# Altium PCB apt_battery_bms.PcbDoc (part 1 of 3) (continued)
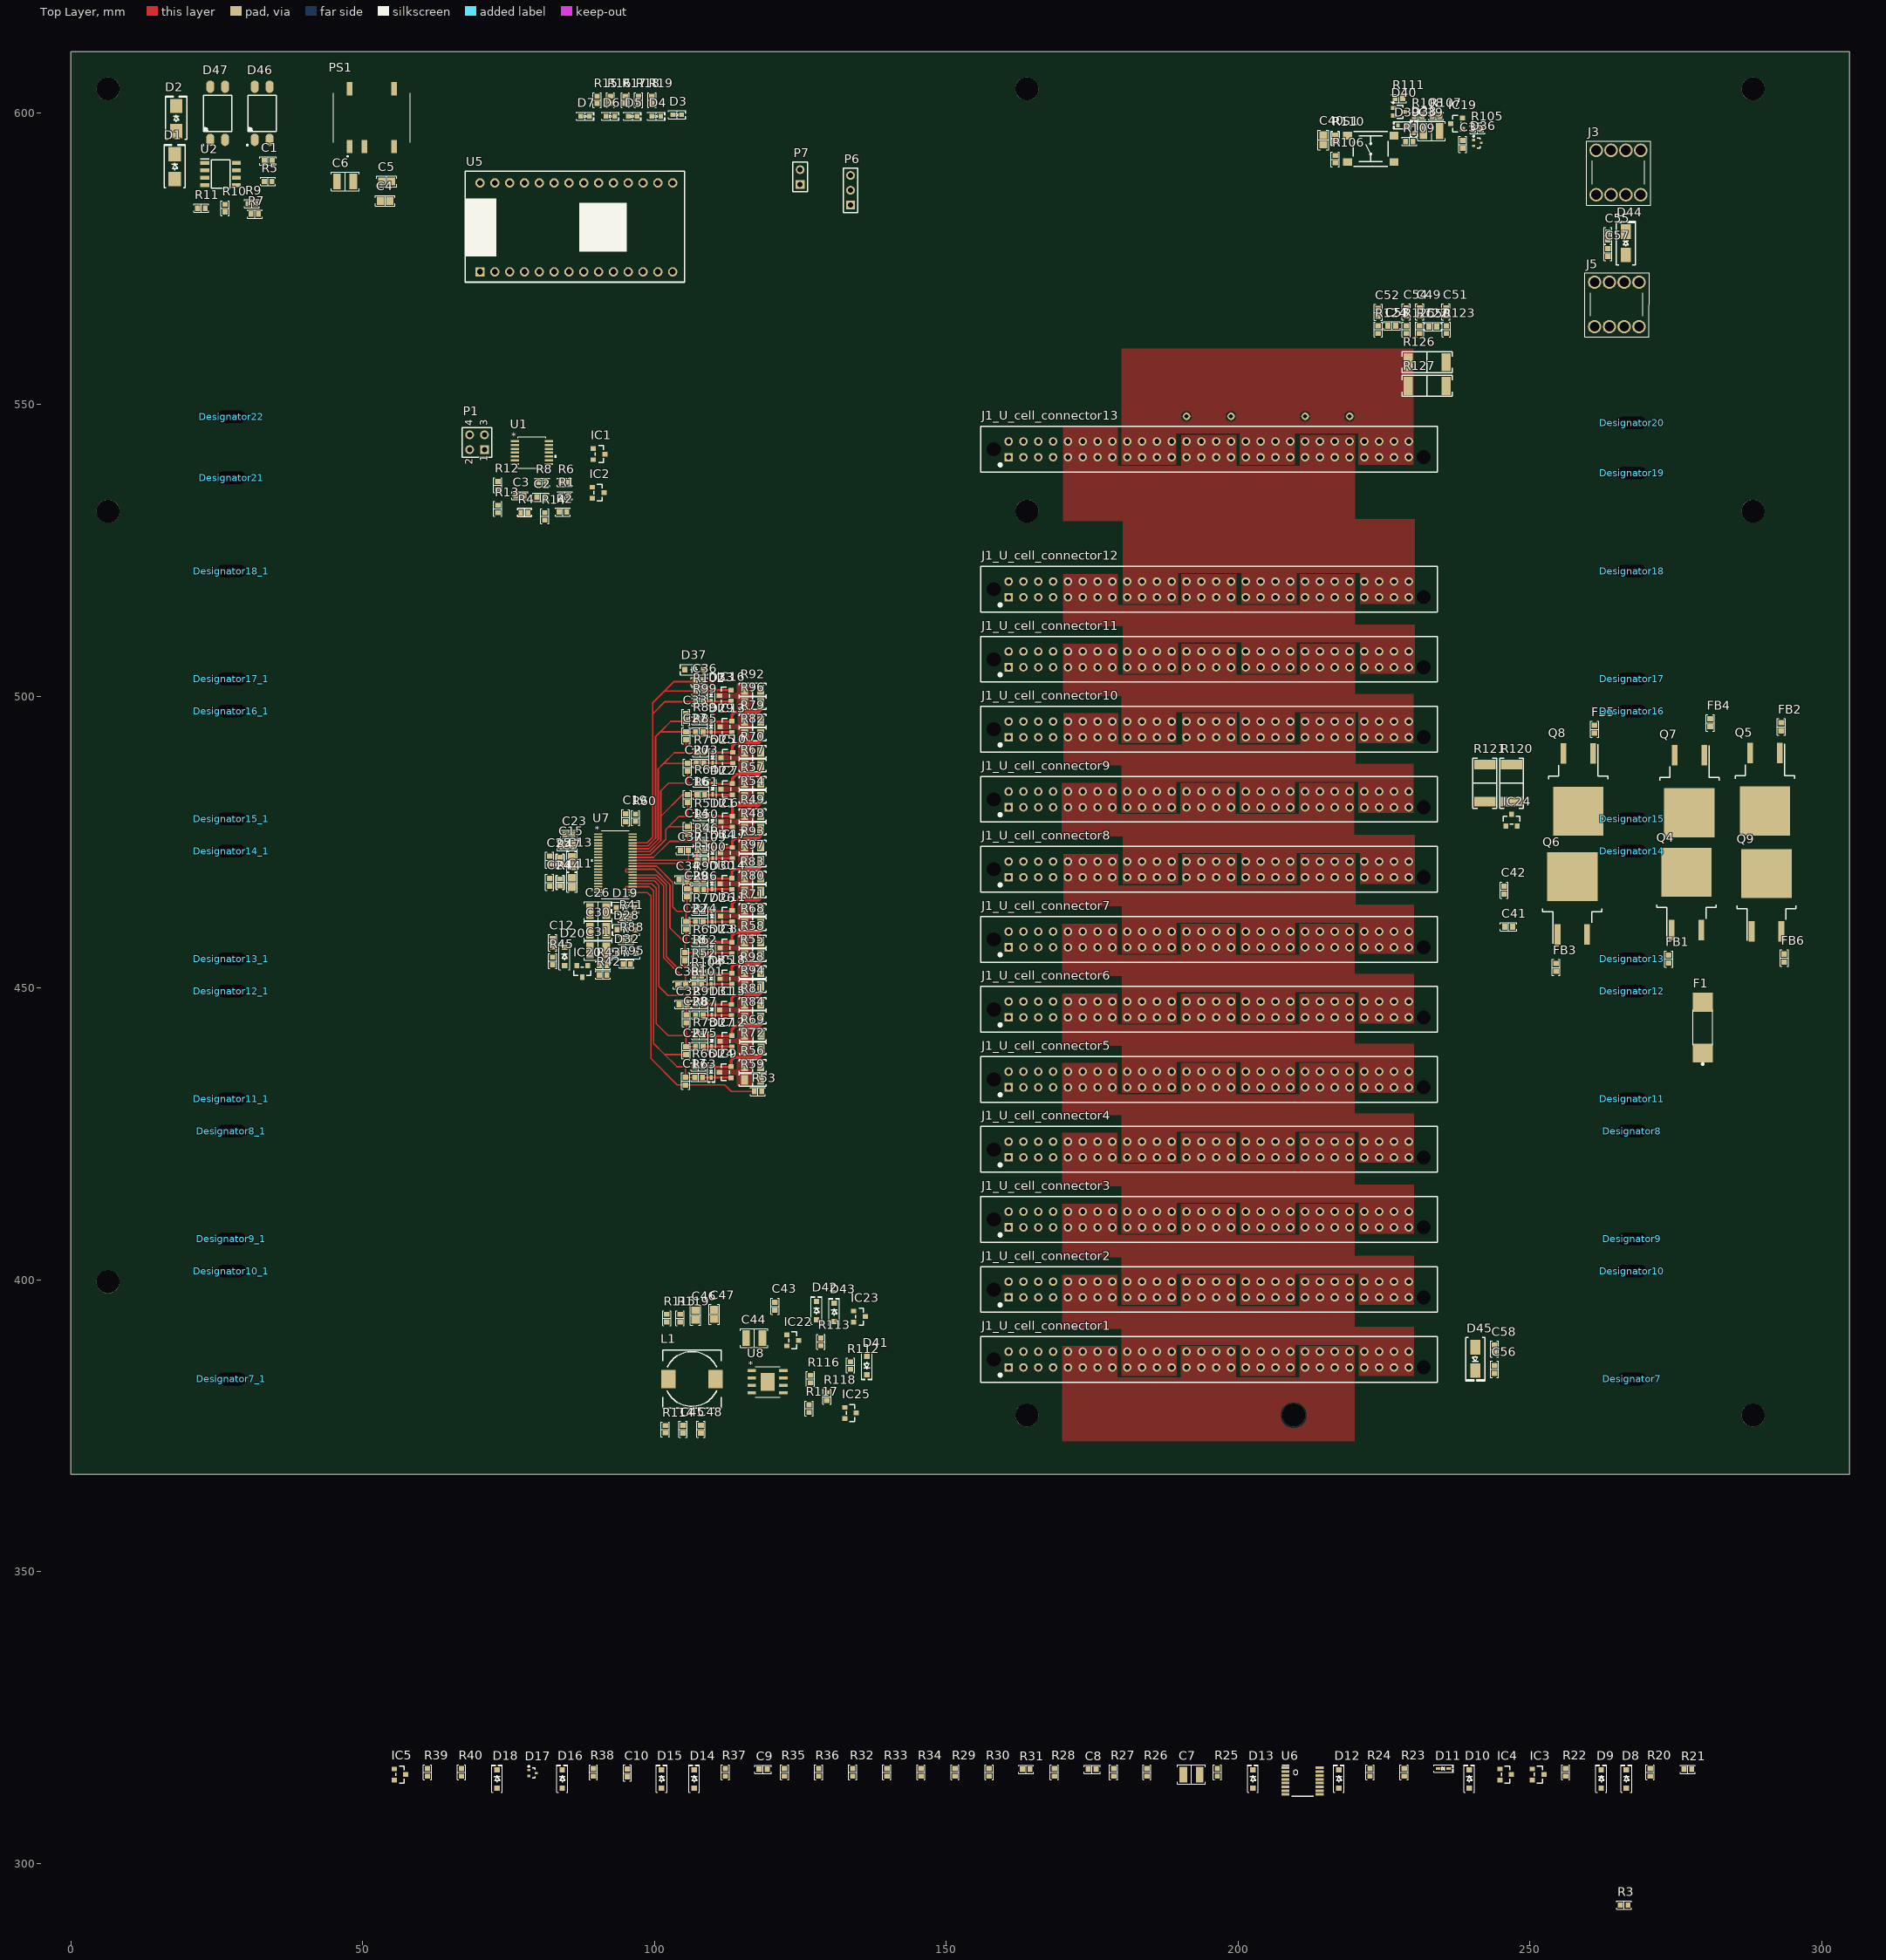
[diagram p0: Top Layer view]
## Components (designator, comment, footprint, x,y, rotation, side; value= is the part's Value field where it differs from the comment) (continued)
Designator16 "Comment" ZIP_TIE_HOLE#19 267.843,497.078 r0 top
Designator16_1 "Comment" ZIP_TIE_HOLE#20 27.5,496.538 r0 top
Designator17 "Comment" ZIP_TIE_HOLE#21 268.097,502.539 r0 top
Designator17_1 "Comment" ZIP_TIE_HOLE#22 27.5,501.999 r0 top
Designator18 "Comment" ZIP_TIE_HOLE#23 268.351,520.954 r0 top
Designator18_1 "Comment" ZIP_TIE_HOLE#24 27.5,520.414 r0 top
Designator19 "Comment" ZIP_TIE_HOLE#25 268.097,537.718 r0 top
Designator20 "Comment" ZIP_TIE_HOLE#26 268.859,546.354 r0 top
Designator21 "Comment" ZIP_TIE_HOLE#27 28.067,536.956 r0 top
Designator22 "Comment" ZIP_TIE_HOLE#28 29.337,547.37 r0 top
F1 "0456030.ER" FUS_LITTELFUSE_0456_30A_LTF 279.654,443.23 r90 top
FB1 "600 Ohms @ 100MHz" "FER 0603_1608" 273.812,455 r270 top
FB2 "600 Ohms @ 100MHz" "FER 0603_1608" 293.116,494.792 r270 top
FB3 "600 Ohms @ 100MHz" "FER 0603_1608" 254.508,453.557 r270 top
FB4 "600 Ohms @ 100MHz" "FER 0603_1608" 280.924,495.467 r270 top
FB5 "600 Ohms @ 100MHz" "FER 0603_1608" 261.112,494.371 r270 top
FB6 "600 Ohms @ 100MHz" "FER 0603_1608" 293.624,455.168 r270 top
IC1 "#NAME?" "ON SEMI SOT-23-3" 90.536,541.528 r0 top
IC2 "#NAME?" "DIODES SOT-23-3" 90.344,534.924 r0 top
IC3 "#NAME?" "DIODES SOT-23-3" 251.46,315.229 r0 top
IC4 "#NAME?" "DIODES SOT-23-3" 245.872,315.229 r0 top
IC5 "#NAME?" "ON SEMI SOT-23-3" 56.388,315.229 r0 top
IC6 "#NAME?" "DIODES SOT-23-3" 112.369,478.536 r180 top
IC7 "#NAME?" "DIODES SOT-23-3" 112.374,484.099 r180 top
IC8 "#NAME?" "DIODES SOT-23-3" 112.271,456.91 r180 top
IC9 "#NAME?" "DIODES SOT-23-3" 112.141,435.585 r180 top
IC10 "#NAME?" "DIODES SOT-23-3" 112.395,489.458 r180 top
IC11 "#NAME?" "DIODES SOT-23-3" 112.309,462.371 r180 top
IC12 "#NAME?" "DIODES SOT-23-3" 112.268,440.919 r180 top
IC13 "#NAME?" "DIODES SOT-23-3" 112.268,494.792 r180 top
IC14 "#NAME?" "DIODES SOT-23-3" 112.265,467.88 r180 top
IC15 "#NAME?" "DIODES SOT-23-3" 112.208,446.268 r180 top
IC16 "#NAME?" "DIODES SOT-23-3" 112.141,500.126 r180 top
IC17 "#NAME?" "DIODES SOT-23-3" 112.344,473.177 r180 top
IC18 "#NAME?" "DIODES SOT-23-3" 112.268,451.612 r180 top
IC19 "#NAME?" "DIODES SOT-23-3" 237.49,598.17 r180 top
IC20 "#NAME?" "ON SEMI SOT-23-3" 87.63,452.882 r270 top
IC22 "ZXMP10A13FTA" "DIODES SOT-23-3" 123.698,389.636 r0 top
IC23 "BSS123" "ON SEMI SOT-23-3" 135.128,393.7 r0 top
IC24 "ZXMP10A13FTA" "DIODES SOT-23-3" 246.888,478.79 r90 top
IC25 "2N7002-7-F" "DIODES SOT-23-3" 133.604,377.19 r0 top
J1_U_cell_connector1 "10119810-002LF" "10119810-002LF - Connector" 160.7,385 r90 top (schematic designator J1)
J1_U_cell_connector2 "10119810-002LF" "10119810-002LF - Connector" 160.7,397 r90 top (schematic designator J1)
J1_U_cell_connector3 "10119810-002LF" "10119810-002LF - Connector" 160.7,409 r90 top (schematic designator J1)
J1_U_cell_connector4 "10119810-002LF" "10119810-002LF - Connector" 160.7,421 r90 top (schematic designator J1)
J1_U_cell_connector5 "10119810-002LF" "10119810-002LF - Connector" 160.7,433 r90 top (schematic designator J1)
J1_U_cell_connector6 "10119810-002LF" "10119810-002LF - Connector" 160.7,445 r90 top (schematic designator J1)
J1_U_cell_connector7 "10119810-002LF" "10119810-002LF - Connector" 160.7,457 r90 top (schematic designator J1)
J1_U_cell_connector8 "10119810-002LF" "10119810-002LF - Connector" 160.7,469 r90 top (schematic designator J1)
J1_U_cell_connector9 "10119810-002LF" "10119810-002LF - Connector" 160.7,481 r90 top (schematic designator J1)
J1_U_cell_connector10 "10119810-002LF" "10119810-002LF - Connector" 160.7,493 r90 top (schematic designator J1)
J1_U_cell_connector11 "10119810-002LF" "10119810-002LF - Connector" 160.7,505 r90 top (schematic designator J1)
J1_U_cell_connector12 "10119810-002LF" "10119810-002LF - Connector" 160.7,517 r90 top (schematic designator J1)
J1_U_cell_connector13 "10119810-002LF" "10119810-002LF - Connector" 160.7,541 r90 top (schematic designator J1)
J3 "7460307" 7460307 261.404,585.978 r0 top
J5 "7460307" 7460307 261.112,563.372 r0 top
L1 "68µH" "TDK SLF10145" 106.426,383 r0 top
P1 "Header 2X2" HDR2X2 70.866,542.29 r90 top
P6 "Header 3" HDR1X3 133.604,584.2 r90 top
P7 "Header 2" HDR1X2 124.968,587.756 r90 top
PS1 "IES0105S05-H" IES0105S05H 51.562,599.186 r0 top
Q4 "CSD19536KTT" DDPAK 276.86,466.09 r90 top
Q5 "CSD19536KTT" DDPAK 290.322,484.124 r270 top
Q6 "CSD19536KTT" DDPAK 257.302,465.382 r90 top
Q7 "CSD19536KTT" DDPAK 277.368,483.81 r270 top
Q8 "CSD19536KTT" DDPAK 258.318,484.064 r270 top
Q9 "CSD19536KTT" DDPAK 290.576,465.895 r90 top
R1 "1 MOhms" "RES 0603_1608" 84.669,534.416 r0 top
R2 "3.3 MOhms" "RES 0603_1608" 84.328,531.622 r0 top
R3 "10 kOhms" "RES 0603_1608" 266.192,292.853 r0 top
R4 "10k" "NTC 0603_1608" 77.724,531.51 r0 top
R5 "10 kOhms" "RES 0603_1608" 33.782,588.264 r0 top
R6 "1 MOhms" "RES 0603_1608" 84.582,536.702 r0 top
R7 "10 kOhms" "RES 0603_1608" 31.496,582.676 r0 top
R8 "16.5 kOhms" "RES 0603_1608" 80.772,536.702 r0 top
R9 "120 Ohms" "RES 0603_1608" 30.988,584.454 r0 top
R10 "10 kOhms" "RES 0603_1608" 26.416,583.692 r90 top
R11 "6.8 kOhms" "RES 0603_1608" 22.352,583.692 r0 top
R12 "10 kOhms" "RES 0603_1608" 73.152,536.194 r90 top
R13 "10 kOhms" "RES 0603_1608" 73.152,532.13 r90 top
R14 "47 Ohms" "RES 0603_1608" 81.193,530.86 r90 top
R15 "510 Ohms" "RES 0603_1608" 90.17,602.234 r90 top
R16 "510 Ohms" "RES 0603_1608" 92.456,602.234 r90 top
R17 "510 Ohms" "RES 0603_1608" 94.996,602.234 r90 top
R18 "510 Ohms" "RES 0603_1608" 97.282,602.234 r90 top
R19 "510 Ohms" "RES 0603_1608" 99.568,602.234 r90 top
R20 "10 MOhms" "RES 0603_1608" 270.637,315.61 r90 top
R21 "10 MOhms" "RES 0603_1608" 277.114,316.118 r0 top
R22 "10 MOhms" "RES 0603_1608" 256.159,315.61 r90 top
R23 "10 MOhms" "RES 0603_1608" 228.473,315.61 r90 top
R24 "100 Ohms" "RES 0603_1608" 222.631,315.61 r90 top
R25 "47 Ohms" "RES 0603_1608" 196.469,315.61 r90 top
R26 "200 Ohms" "RES 0603_1608" 184.404,315.61 r90 top
R27 "1 MOhms" "RES 0603_1608" 178.689,315.61 r90 top
R28 "1 kOhms" "RES 0603_1608" 168.529,315.61 r90 top
R29 "1 kOhms" "RES 0603_1608" 151.511,315.61 r90 top
R30 "100 Ohms" "RES 0603_1608" 157.353,315.61 r90 top
R31 "510 Ohms" "RES 0603_1608" 163.703,316.118 r0 top
R32 "1 kOhms" "RES 0603_1608" 133.985,315.61 r90 top
R33 "100 Ohms" "RES 0603_1608" 139.827,315.61 r90 top
R34 "100 Ohms" "RES 0603_1608" 145.669,315.61 r90 top
R35 "1 kOhms" "RES 0603_1608" 122.301,315.61 r90 top
R36 "665 kOhms" "RES 0603_1608" 128.143,315.61 r90 top
R37 "100 Ohms" "RES 0603_1608" 112.141,315.61 r90 top
R38 "16.5 kOhms" "RES 0603_1608" 89.535,315.61 r90 top
R39 "3.3 MOhms" "RES 0603_1608" 61.087,315.61 r90 top
R40 "1 MOhms" "RES 0603_1608" 66.929,315.61 r90 top
R41 "1 kOhms" "RES 0603_1608" 95.072,461.963 r180 top
R42 "200 Ohms" "RES 0603_1608" 91.186,452.272 r180 top
R43 "100 kOhms" "RES 0603_1608" 91.186,453.898 r0 top
R44 "10k" "NTC 0603_1608" 83.82,468.122 r270 top
R45 "100 kOhms" "RES 0603_1608" 82.55,454.66 r270 top
R46 "1 kOhms" "RES 0603_1608" 107.95,475.172 r180 top
R47 "10k" "NTC 0603_1608" 83.82,471.79 r270 top
R48 "80.6 Ohms" "RES 1206_3216" 116.84,477.317 r180 top
R49 "80.6 Ohms" "RES 1206_3216" 116.84,479.654 r180 top
R50 "10 kOhms" "RES 0603_1608" 107.95,477.586 r0 top
R51 "1 kOhms" "RES 0603_1608" 107.95,479.436 r180 top
R52 "1 kOhms" "RES 0603_1608" 107.442,453.695 r180 top
R53 "1 kOhms" "RES 0603_1608" 117.754,432.283 r180 top
R54 "80.6 Ohms" "RES 1206_3216" 116.837,482.809 r180 top
R55 "80.6 Ohms" "RES 1206_3216" 116.815,455.651 r180 top
R56 "80.6 Ohms" "RES 1206_3216" 116.84,436.626 r180 top
R57 "80.6 Ohms" "RES 1206_3216" 116.84,485.199 r180 top
R58 "80.6 Ohms" "RES 1206_3216" 116.84,457.962 r180 top
R59 "80.6 Ohms" "RES 1206_3216" 116.84,434.279 r180 top
R60 "100 kOhms" "RES 0603_1608" 96.757,479.199 r270 top
R61 "10 kOhms" "RES 0603_1608" 107.95,483.108 r0 top
R62 "10 kOhms" "RES 0603_1608" 107.696,456.046 r0 top
R63 "10 kOhms" "RES 0603_1608" 107.569,434.71 r0 top
R64 "1 kOhms" "RES 0603_1608" 107.95,485.14 r180 top
R65 "1 kOhms" "RES 0603_1608" 107.696,457.846 r180 top
R66 "1 kOhms" "RES 0603_1608" 107.569,436.535 r180 top
R67 "80.6 Ohms" "RES 1206_3216" 116.84,488.188 r180 top
R68 "80.6 Ohms" "RES 1206_3216" 116.84,461.01 r180 top
R69 "80.6 Ohms" "RES 1206_3216" 116.863,441.96 r180 top
R70 "80.6 Ohms" "RES 1206_3216" 116.834,490.474 r180 top
R71 "80.6 Ohms" "RES 1206_3216" 116.84,463.448 r180 top
R72 "80.6 Ohms" "RES 1206_3216" 116.863,439.674 r180 top
R73 "10 kOhms" "RES 0603_1608" 107.823,488.558 r0 top
R74 "10 kOhms" "RES 0603_1608" 107.696,461.38 r0 top
R75 "10 kOhms" "RES 0603_1608" 107.696,440.019 r0 top
R76 "1 kOhms" "RES 0603_1608" 107.823,490.347 r180 top
R77 "1 kOhms" "RES 0603_1608" 107.696,463.18 r180 top
R78 "1 kOhms" "RES 0603_1608" 107.696,441.869 r180 top
R79 "80.6 Ohms" "RES 1206_3216" 116.84,495.827 r180 top
R80 "80.6 Ohms" "RES 1206_3216" 116.84,466.598 r180 top
R81 "80.6 Ohms" "RES 1206_3216" 116.84,447.294 r180 top
R82 "80.6 Ohms" "RES 1206_3216" 116.84,493.522 r180 top
R83 "80.6 Ohms" "RES 1206_3216" 116.84,468.946 r180 top
R84 "80.6 Ohms" "RES 1206_3216" 116.84,445 r180 top
R85 "10 kOhms" "RES 0603_1608" 107.696,493.903 r0 top
R86 "10 kOhms" "RES 0603_1608" 107.78,466.93 r0 top
R87 "10 kOhms" "RES 0603_1608" 107.696,445.403 r0 top
R88 "1 kOhms" "RES 0603_1608" 95.154,458.214 r180 top
R89 "1 kOhms" "RES 0603_1608" 107.696,495.827 r180 top
R90 "1 kOhms" "RES 0603_1608" 107.78,468.63 r180 top
R91 "1 kOhms" "RES 0603_1608" 107.696,447.218 r180 top
R92 "80.6 Ohms" "RES 1206_3216" 116.837,501.142 r180 top
R93 "80.6 Ohms" "RES 1206_3216" 116.84,474.246 r180 top
R94 "80.6 Ohms" "RES 1206_3216" 116.84,450.342 r180 top
R95 "1 kOhms" "RES 0603_1608" 95.25,454.138 r180 top
R96 "80.6 Ohms" "RES 1206_3216" 116.837,498.856 r180 top
R97 "80.6 Ohms" "RES 1206_3216" 116.84,471.88 r180 top
R98 "80.6 Ohms" "RES 1206_3216" 116.815,452.725 r180 top
R99 "10 kOhms" "RES 0603_1608" 107.696,499.099 r0 top
R100 "10 kOhms" "RES 0603_1608" 107.95,471.932 r0 top
R101 "10 kOhms" "RES 0603_1608" 107.442,450.53 r0 top
R102 "1 kOhms" "RES 0603_1608" 107.696,500.899 r180 top
R103 "1 kOhms" "RES 0603_1608" 107.95,473.623 r180 top
R104 "1 kOhms" "RES 0603_1608" 107.442,452.12 r180 top
R105 "1 MOhms" "RES 0603_1608" 241.046,597.139 r180 top
R106 "3 kOhms" "RES 0603_1608" 216.662,592.074 r90 top
R107 "10 MOhms" "RES 0603_1608" 233.934,599.44 r0 top
R108 "360 kOhms" "RES 0603_1608" 230.886,599.44 r0 top
R109 "100 Ohms" "RES 0603_1608" 229.362,595.122 r180 top
R110 "10k" "NTC 0603_1608" 216.662,595.63 r90 top
R111 "10 kOhms" "RES 0603_1608" 227.584,602.488 r180 top
R112 "3 MOhms" "RES 0603_1608" 133.604,385.318 r270 top
R113 "6.8 MOhms" "RES 0603_1608" 128.524,389.382 r90 top
R114 "383 kOhms" "RES 0603_1608" 101.854,374.396 r90 top
R115 "715 kOhms" "RES 0603_1608" 102.108,393.446 r90 top
R116 "10 MOhms" "RES 0603_1608" 126.746,383 r90 top
R117 "1 MOhms" "RES 0603_1608" 126.492,377.952 r90 top
R118 "115 kOhms" "RES 0603_1608" 129.54,379.984 r90 top
R119 "240 kOhms" "RES 0603_1608" 104.394,393.446 r90 top
R120 "604 Ohms" "RES 2512_6432" 246.888,485.14 r90 top
R121 "604 Ohms" "RES 2512_6432" 242.316,485.14 r90 top
R122 "100 Ohms" "RES 0603_1608" 231.14,562.864 r270 top
R123 "100 Ohms" "RES 0603_1608" 235.712,562.864 r270 top
R124 "100 Ohms" "RES 0603_1608" 224.028,562.864 r270 top
R125 "100 Ohms" "RES 0603_1608" 228.854,562.864 r270 top
R126 "2 mOhms" "STACKPOLE CSR2512" 232.41,557.276 r0 top
R127 "2 mOhms" "STACKPOLE CSR2512" 232.41,553.212 r0 top
S1 "#NAME?" "C&K PTS645" 222.758,593.852 r0 top
U1 "BQ34Z100PWR-G1" TSSOP_14 78.994,541.782 r0 top
U2 "THVD1500DR" SOIC_8 25.654,589.534 r0 top
U5 "TEENSY 4.0 (HEADERS)" TEENSY_SLIM 70.104,572.77 r90 top
U6 "BQ76200PWR" TSSOP_16 211.074,314.086 r0 top value=Value
U7 "BQ7694003DBTR" TSSOP_44 93.294,471.145 r0 top
U8 "LM5164DDAT" PowerSOIC_8 119.38,382.524 r0 top

## Footprints (in the part's own frame and the unit in brackets; to place one, negate y for a bottom-side part, rotate by r counter-clockwise, add the part's x,y. Pads: shape width x height; smd on the part's side, far side on the other; paste and mask are expansions set on the pad)
7460307 [mm]
  round 2.3 hole 1.675: 1(0,0) 1(0,7.62) 1(2.54,0) 1(2.54,7.62) 1(5.08,0) 1(5.08,7.62) 1(7.62,0) 1(7.62,7.62)
  silkscreen extent -1.68,-1.78 9.36,9.19, body extent -0.69,-0.69 8.31,8.31, height 7
"10119810-002LF - Connector" [mm]
  round 0 hole 2.4 unplated: M1(1.35,2.54) M2(0,-71.12)
  rect 1.45x1.45 hole 0.85: P1(0,0)
  round 1.45 hole 0.85: P2(0,-2.54) P3(0,-5.08) P4(0,-7.62) P5(0,-10.16) P6(0,-12.7) P7(0,-15.24) P8(0,-17.78) P9(0,-20.32) P10(0,-22.86) P11(0,-25.4) P12(0,-27.94) P13(0,-30.48) P14(0,-33.02) P15(0,-35.56) P16(0,-38.1) P17(0,-40.64) P18(0,-43.18) P19(0,-45.72) P20(0,-48.26) P21(0,-50.8) P22(0,-53.34) P23(0,-55.88) P24(0,-58.42) P25(0,-60.96) P26(0,-63.5) P27(0,-66.04) P28(0,-68.58) P29(2.7,-68.58) P30(2.7,-66.04) P31(2.7,-63.5) P32(2.7,-60.96) P33(2.7,-58.42) P34(2.7,-55.88) P35(2.7,-53.34) P36(2.7,-50.8) P37(2.7,-48.26) P38(2.7,-45.72) P39(2.7,-43.18) P40(2.7,-40.64) P41(2.7,-38.1) P42(2.7,-35.56) P43(2.7,-33.02) P44(2.7,-30.48) P45(2.7,-27.94) P46(2.7,-25.4) P47(2.7,-22.86) P48(2.7,-20.32) P49(2.7,-17.78) P50(2.7,-15.24) P51(2.7,-12.7) P52(2.7,-10.16) P53(2.7,-7.62) P54(2.7,-5.08) P55(2.7,-2.54) P56(2.7,0)
  silkscreen extent -2.54,-73.48 5.28,4.78, body extent -2.24,-73.13 5.01,4.57, height 15.69
"C&K PTS645" [mm] "T-Switch, 4-leads, body 6x6mm, C&K PTS645SM43SMTR92 LFS"
  rect 1.55x1.3 smd mask+0.1: 1(-3.975,2.25) 2(3.975,2.25) 3(-3.975,-2.25) 4(3.975,-2.25)
  silkscreen extent -3,-3 3,3, body extent -4.5,-3 4.5,3, height 4.4
"CAP 0603_1608" [mm] "Chip Capacitor, 2-Leads, Body 1.60x0.80mm, IPC Medium Density"
  rect 0.9x1 smd: 1(-0.675,0) 2(0.675,0)
  silkscreen extent -1.4,-0.7 1.4,0.7, body extent -0.8,-0.41 0.8,0.41, height 0.82
"CAP 0805_2012" [mm] "Chip Capacitor, 2-Leads, Body 2.00x1.20mm, IPC Medium Density"
  rect 1.3x1.4 smd: 1(-0.8,0) 2(0.8,0)
  silkscreen extent -1.7,-0.9 1.7,0.9, body extent -1,-0.64 1,0.64, height 1.26
"CAP 1210_3225 - 2.2MM" [mm] "Chip Capacitor, 2-Leads, Body 3.20x2.50mm, IPC Medium Density"
  rect 1.3x2.7 smd: 1(-1.4,0) 2(1.4,0)
  silkscreen extent -2.37,-1.63 2.37,1.63, body extent -1.6,-1.25 1.6,1.25, height 2.2
"CAP 1210_3225 - 2.5MM" [mm] "Chip Capacitor, 2-Leads, Body 3.20x2.50mm, IPC Medium Density"
  rect 1.3x2.7 smd: 1(-1.4,0) 2(1.4,0)
  silkscreen extent -2.37,-1.63 2.37,1.63, body extent -1.6,-1.25 1.6,1.25, height 2.5
"CAP 1210_3225 - 2.8MM" [mm] "Chip Capacitor, 2-Leads, Body 3.20x2.50mm, IPC Medium Density"
  rect 1.3x2.7 smd: 1(-1.4,0) 2(1.4,0)
  silkscreen extent -2.37,-1.63 2.37,1.63, body extent -1.6,-1.25 1.6,1.25, height 2.8
DDPAK [mm]
  rect 3.5x1 smd: 1(-6.15,2.54) 3(-6.15,-2.54)
  rect 8.4x8.65 smd: 2(3.75,0)
  silkscreen extent -7.75,-5.07 -1.78,5.07, body extent -7.18,-5.08 7.18,5.08, height 4.65
"DIODES SOT-23-3" [mm] "SOT23, 3-Leads, Body 2.90x2.40mm, Pitch 0.95mm, IPC Medium Density"
  rect 0.9x0.8 smd: 1(-1,0.95) 2(-1,-0.95) 3(1,0)
  silkscreen extent -0.7,-1.45 0.7,1.45, body extent -1.41,-1.45 1.41,1.45, height 1.5
"DIODES SOT-323-3" [mm] "SOT323, 3-Leads, Body 2.00x2.10mm, Pitch 0.65mm, IPC Medium Density"
  rect 0.9x0.7 smd: 1(-0.95,0.65) 2(0.95,0) 3(-0.95,-0.65)
  silkscreen extent -1.07,-1.1 0.67,1.67, body extent -1.06,-1 1.06,1, height 1
"DIODES SOT-523" [mm] "SOT523, 3-Leads, Body 0.8x1.60mm, Pitch 0.50mm, IPC Medium Density"
  rect 0.51x0.4 smd: 1(-0.65,0.5) 2(0.65,0) 3(-0.65,-0.5)
  silkscreen extent -0.77,-0.85 0.42,1.27, body extent -0.81,-0.8 0.81,0.8, height 0.82
"DO214AA SMB" [mm] "Molded Diode, 2-Leads, Body 4.31x3.62mm, IPC Medium Density"
  rect 2.45x2.15 smd: 1(-2.15,0) 2(2.15,0)
  silkscreen extent -3.6,-1.8 3.8,1.8, body extent -2.6,-1.8 2.6,1.8, height 2.4
"DO214AC SMA" [mm] "Molded Diode, 2-Leads, Body 4.30x2.60mm, IPC Medium Density"
  rect 2.5x1.7 smd: 1(-2,0) 2(2,0)
  silkscreen extent -3.68,-1.65 3.75,1.65, body extent -2.6,-1.37 2.6,1.37, height 2.4
"FER 0603_1608" [mm] "Chip Ferrite, 2-Leads, Body 1.60x0.80mm, IPC Medium Density"
  rect 0.9x1 smd: 1(-0.675,0) 2(0.675,0)
  silkscreen extent -1.4,-0.7 1.4,0.7, body extent -0.8,-0.41 0.8,0.41, height 0.82
FUS_LITTELFUSE_0456_30A_LTF [mm]
  rect 3.25x3.43 smd: 1(-4.366,0) 2(4.366,0)
  silkscreen extent -6.31,-1.69 3.03,1.69, body extent -5.05,-1.59 5.03,1.54, height 3.12
HDR1X2 [mm] "Connector; Header; 2 Position"
  rect 1.5x1.5 hole 0.9: 1(0,0)
  round 1.5 hole 0.9: 2(2.54,0)
  silkscreen extent -1.27,-1.27 3.81,1.27
HDR1X3 [mm] "Connector; Header; 3 Position"
  rect 1.5x1.5 hole 0.9: 1(0,0)
  round 1.5 hole 0.9: 2(2.54,0) 3(5.08,0)
  silkscreen extent -1.27,-1.27 6.35,1.27
HDR2X2 [mm] "Connector; Header; 2x2 Position"
  rect 1.5x1.5 hole 0.9: 1(0,0)
  round 1.5 hole 0.9: 2(0,2.54) 3(2.54,0) 4(2.54,2.54)
  silkscreen extent -1.27,-1.27 3.81,3.81
IES0105S05H [mm]
  rect 1x2.29 smd: 1(-3.81,-4.955) 2(-1.27,-4.955) 4(3.81,-4.955) 5(3.81,4.955) 8(-3.81,4.955)
  silkscreen extent -6.6,-6.65 6.6,4.25, body extent -6.6,-6 6.6,6, height 7.45
"LED 0603_1608 RED" [mm] "Chip Diode, 2-Leads, Body 1.60x0.80mm, IPC Medium Density"
  rect 0.8x0.8 smd: 1(-0.75,0) 2(0.75,0)
  silkscreen extent -1.52,-0.7 1.52,0.7, body extent -0.8,-0.4 0.8,0.4, height 0.53
"LITEON LTV-817" [mm] "SOP, 4-Leads, Body 4.60x6.50mm, Pitch 2.54mm, IPC Medium Density"
  oval 2.1x1.4 smd: 1(-4.55,1.27) 2(-4.55,-1.27) 3(4.55,-1.27) 4(4.55,1.27)
  silkscreen extent -5.59,-2.41 3.1,2.66, body extent -5.1,-2.3 5.1,2.3, height 3.85
"NTC 0603_1608" [mm] "NTC Thermistor, 2-Leads, Body 1.60x0.80mm, IPC Medium Density"
  rect 0.8x1 smd: 1(-0.625,0) 2(0.625,0)
  silkscreen extent -1.2,-0.7 1.2,0.7, body extent -0.8,-0.41 0.8,0.41, height 0.82
"ON SEMI SOT-23-3" [mm] "SOT23, 3-Leads, Body 2.90x2.40mm, Pitch 0.95mm, IPC Medium Density"
  rect 0.9x0.8 smd: 1(-1,0.95) 2(-1,-0.95) 3(1,0)
  silkscreen extent -0.7,-1.45 0.7,1.45, body extent -1.16,-1.45 1.16,1.45, height 1
PowerSOIC_8 [mm]
  rect 1.455x0.533 smd: 1(-2.721,1.905) 2(-2.721,0.635) 3(-2.721,-0.635) 4(-2.721,-1.905) 5(2.721,-1.905) 6(2.721,-0.635) 7(2.721,0.635) 8(2.721,1.905)
  rect 2.4x3.1 smd: 9(0,0)
  silkscreen extent -2.12,-2.62 2.12,2.62, body extent -3,-2.45 3,2.45, height 1.57
"RES 0603_1608" [mm] "Chip Resistor, 2-Leads, Body 1.60x0.80mm, IPC Medium Density"
  rect 0.85x0.95 smd: 1(-0.65,0) 2(0.65,0)
  silkscreen extent -1.27,-0.7 1.27,0.7, body extent -0.8,-0.4 0.8,0.4, height 0.45
"RES 1206_3216" [mm] "Chip Resistor, 2-Leads, Body 3.13x1.55mm, IPC Medium Density"
  rect 1.2x1.65 smd: 1(-1.4,0) 2(1.4,0)
  silkscreen extent -2.3,-1.1 2.3,1.1, body extent -1.57,-0.8 1.62,0.8, height 0.6
"RES 2512_6432" [mm] "Chip Resistor, 2-Leads, Body 6.30x3.15mm, IPC Medium Density"
  rect 1.6x3.65 smd: 1(-3.175,0) 2(3.175,0)
  silkscreen extent -4.3,-2.05 4.3,2.05, body extent -3.15,-1.57 3.15,1.57, height 0.7
SOD523F [mm] "SODFL, 2-Leads, Body 0.80x1.60mm, IPC Medium Density"
  rect 0.8x0.5 smd: 1(-0.9,0) 2(0.9,0)
  silkscreen extent -1.6,-0.64 1.8,0.64, body extent -0.8,-0.4 0.8,0.4, height 0.65
SOD-123 [mm] "SOD, 2-Leads, Body 1.55x3.70mm, IPC Medium Density"
  rect 0.9x0.95 smd: 1(-1.575,0) 2(1.575,0)
  silkscreen extent -2.3,-0.92 2.41,0.92, body extent -1.86,-0.78 1.86,0.77, height 1.35
SOD-523 [mm] "Molded Diode, 2-Leads, Body 1.60x0.80mm, IPC Medium Density"
  rect 0.6x0.7 smd: 1(-0.71,0) 2(0.71,0)
  silkscreen extent -1.27,-0.6 1.47,0.6, body extent -0.8,-0.4 0.8,0.4, height 0.82
SOIC_8 [mm]
  rect 1.525x0.65 smd: 1(-2.712,1.905) 2(-2.712,0.635) 3(-2.712,-0.635) 4(-2.712,-1.905) 5(2.712,-1.905) 6(2.712,-0.635) 7(2.712,0.635) 8(2.712,1.905)
  silkscreen extent -3.47,-2.45 1.6,2.58, body extent -3,-2.45 3,2.45, height 1.75
"STACKPOLE CSR2512" [mm] "Chip Resistor, 2-Leads, Body 6.40x3.20mm, IPC Medium Density"
  rect 1.6x3.1 smd: 1(-3.25,0) 2(3.25,0)
  silkscreen extent -4.3,-1.8 4.3,1.8, body extent -3.27,-1.6 3.28,1.6, height 0.5
"TDK SLF10145" [mm] "Precision Wire Wound Inductor, 2-Leads, Body 10.10x10.10mm, IPC Medium Density"
  rect 2.5x3.2 smd: 1(-4.05,0) 2(4.05,0)
  silkscreen extent -5,-5 5,5, body extent -5.05,-5.05 5.05,5.05, height 4.53
TEENSY_SLIM [mm]
  rect 1.6x1.6 hole 1.02: 1(0,0)
  round 1.6 hole 1.02: 2(0,-2.54) 3(0,-5.08) 4(0,-7.62) 5(0,-10.16) 6(0,-12.7) 7(0,-15.24) 8(0,-17.78) 9(0,-20.32) 10(0,-22.86) 11(0,-25.4) 12(0,-27.94) 13(0,-30.48) 14(0,-33.02) 15(15.24,-33.02) 16(15.24,-30.48) 17(15.24,-27.94) 18(15.24,-25.4) 19(15.24,-22.86) 20(15.24,-20.32) 21(15.24,-17.78) 22(15.24,-15.24) 23(15.24,-12.7) 24(15.24,-10.16) 25(15.24,-7.62) 26(15.24,-5.08) 27(15.24,-2.54) 28(15.24,0)
  silkscreen extent -1.78,-35.05 17.27,2.54, body extent -1.19,-34.24 16.59,2.02, height 7.56
TSSOP_14 [mil]
  rect 57.56x13.97 smd: 1(-115,76.77) 2(-115,51.18) 3(-115,25.59) 4(-115,0) 5(-115,-25.59) 6(-115,-51.18) 7(-115,-76.77) 8(115,-76.77) 9(115,-51.18) 10(115,-25.59) 11(115,0) 12(115,25.59) 13(115,51.18) 14(115,76.77)
  silkscreen extent -94,-106 164,106, body extent -130,-101 130,101, height 47
TSSOP_16 [mm]
  rect 1.4x0.45 smd mask+0.051: 1(-2.95,2.275) 2(-2.95,1.625) 3(-2.95,0.975) 4(-2.95,0.325) 5(-2.95,-0.325) 6(-2.95,-0.975) 7(-2.95,-1.625) 8(-2.95,-2.275) 9(2.95,-2.275) 10(2.95,-1.625) 11(2.95,-0.975) 12(2.95,-0.325) 13(2.95,0.325) 14(2.95,0.975) 15(2.95,1.625) 16(2.95,2.275)
  silkscreen extent -3.5,-2.55 1.85,2.75, body extent -3.2,-2.5 3.2,2.5, height 1.13
TSSOP_44 [mm]
  rect 1.404x0.279 smd mask+0.051: 1(-2.95,5.25) 2(-2.95,4.75) 3(-2.95,4.25) 4(-2.95,3.75) 5(-2.95,3.25) 6(-2.95,2.75) 7(-2.95,2.25) 8(-2.95,1.75) 9(-2.95,1.25) 10(-2.95,0.75) 11(-2.95,0.25) 12(-2.95,-0.25) 13(-2.95,-0.75) 14(-2.95,-1.25) 15(-2.95,-1.75) 16(-2.95,-2.25) 17(-2.95,-2.75) 18(-2.95,-3.25) 19(-2.95,-3.75) 20(-2.95,-4.25) 21(-2.95,-4.75) 22(-2.95,-5.25) 23(2.95,-5.25) 24(2.95,-4.75) 25(2.95,-4.25) 26(2.95,-3.75) 27(2.95,-3.25) 28(2.95,-2.75) 29(2.95,-2.25) 30(2.95,-1.75) 31(2.95,-1.25) 32(2.95,-0.75) 33(2.95,-0.25) 34(2.95,0.25) 35(2.95,0.75) 36(2.95,1.25) 37(2.95,1.75) 38(2.95,2.25) 39(2.95,2.75) 40(2.95,3.25) 41(2.95,3.75) 42(2.95,4.25) 43(2.95,4.75) 44(2.95,5.25)
  silkscreen extent -4.16,-5.83 2.37,5.83, body extent -3.3,-5.7 3.3,5.7, height 1.2
ZIP_TIE_HOLE#1 [mm]
  round 0 hole 2.1 slot 5 at 0 deg unplated: P15(172.885,3.524)
ZIP_TIE_HOLE#2 [mm]
  round 0 hole 2.1 slot 5 at 0 deg unplated: P15(0,4.064)
ZIP_TIE_HOLE#3 [mm]
  round 0 hole 2.1 slot 5 at 0 deg unplated: P15(214.414,36.372)
ZIP_TIE_HOLE#4 [mm]
  round 0 hole 2.1 slot 5 at 0 deg unplated: P15(214.63,36.372)
ZIP_TIE_HOLE#5 [mm]
  round 0 hole 2.1 slot 5 at 0 deg unplated: P15(-0.597,30.699)
ZIP_TIE_HOLE#6 [mm]
  round 0 hole 2.1 slot 5 at 0 deg unplated: P15(0,31.239)
ZIP_TIE_HOLE#7 [mm]
  round 0 hole 2.1 slot 5 at 0 deg unplated: P15(-0.597,25.961)
ZIP_TIE_HOLE#8 [mm]
  round 0 hole 2.1 slot 5 at 0 deg unplated: P15(0,26.501)
ZIP_TIE_HOLE#9 [mm]
  round 0 hole 2.1 slot 5 at 0 deg unplated: P15(-0.343,0.216)
ZIP_TIE_HOLE#10 [mm]
  round 0 hole 2.1 slot 5 at 0 deg unplated: P15(0,0.756)
ZIP_TIE_HOLE#11 [mm]
  round 0 hole 2.1 slot 5 at 0 deg unplated: P15(-0.216,-0.461)
ZIP_TIE_HOLE#12 [mm]
  round 0 hole 2.1 slot 5 at 0 deg unplated: P15(0,0.079)
ZIP_TIE_HOLE#13 [mm]
  round 0 hole 2.1 slot 5 at 0 deg unplated: P15(-0.089,-0.168)
ZIP_TIE_HOLE#14 [mm]
  round 0 hole 2.1 slot 5 at 0 deg unplated: P15(0,0.372)
ZIP_TIE_HOLE#15 [mm]
  round 0 hole 2.1 slot 5 at 0 deg unplated: P15(-0.724,-1.099)
ZIP_TIE_HOLE#16 [mm]
  round 0 hole 2.1 slot 5 at 0 deg unplated: P15(0,-0.559)
ZIP_TIE_HOLE#17 [mm]
  round 0 hole 2.1 slot 5 at 0 deg unplated: P15(0,-0.044)
ZIP_TIE_HOLE#18 [mm]
  round 0 hole 2.1 slot 5 at 0 deg unplated: P15(0,0.496)
ZIP_TIE_HOLE#19 [mm]
  round 0 hole 2.1 slot 5 at 0 deg unplated: P15(-0.343,0.422)
ZIP_TIE_HOLE#20 [mm]
  round 0 hole 2.1 slot 5 at 0 deg unplated: P15(0,0.962)
ZIP_TIE_HOLE#21 [mm]
  round 0 hole 2.1 slot 5 at 0 deg unplated: P15(-0.597,0.461)
ZIP_TIE_HOLE#22 [mm]
  round 0 hole 2.1 slot 5 at 0 deg unplated: P15(0,1.001)
ZIP_TIE_HOLE#23 [mm]
  round 0 hole 2.1 slot 5 at 0 deg unplated: P15(-0.851,0.546)
ZIP_TIE_HOLE#24 [mm]
  round 0 hole 2.1 slot 5 at 0 deg unplated: P15(0,1.086)
ZIP_TIE_HOLE#25 [mm]
  round 0 hole 2.1 slot 5 at 0 deg unplated: P15(-0.597,0.546)
ZIP_TIE_HOLE#26 [mm]
  round 0 hole 2.1 slot 5 at 0 deg unplated: P15(-1.359,0.546)
ZIP_TIE_HOLE#27 [mm]
  round 0 hole 2.1 slot 5 at 0 deg unplated: P15(-0.567,0.546)
ZIP_TIE_HOLE#28 [mm]
  round 0 hole 2.1 slot 5 at 0 deg unplated: P15(-1.837,0.546)

## Part data
C1 C2 C49 C50 C51 C52 C53 C54: library part GCJ188R71H104KA12D, "CAP CER 0.1UF 50V X7R 0603", Device Package="0603 (1608 Metric)", Manufacturer="Murata Electronics", Operating Temperature="-55°C ~ 125°C", Ratings=AEC-Q200, Supplier Part Number 1=490-5798-1-ND, Temperature Coefficient=X7R, Tolerance=±10%, Voltage - Rated=50V, Applications="Automotive, Boardflex Sensitive", Capacitance=0.1µF, ComponentLink1Description=Datasheet, ComponentLink1URL=https://www.murata.com/~/media/webrenewal/support/library/catalog/products/capacitor/mlcc/c03e.ashx?la=en-us, ComponentLink2Description="DigiKey Link", ComponentLink2URL=http://digikey.com/product-detail/en/murata-electronics/GCJ188R71H104KA12D/490-5798-1-ND/2783823, Features="Soft Termination", LastUpdated="9/2/2020 1:03:05 AM", Lifecycle Status=Active, Minimum Order=1, Mounting Type="Surface Mount, MLCC", Package / Case="0603 (1608 Metric)", Packaging=TapeAndReel, PartId=16867, Part Number=GCJ188R71H104KA12D, Part Status=Active, Price=0.02, Series=GCJ, Size / Dimension="0.063\" L x 0.031\" W (1.60mm x 0.80mm)", Supplier 1=DigiKey, Thickness (Max)="0.035\" (0.90mm)"
C3 C12 C14 C16 C17 C18 C20 C21 C22 C23 C24 C25 C27 C28 C29 C32 C33 C34 C36 C37 C38: library part CGA3E3X5R1H105K080AB, "CAP CER 1UF 50V X5R 0603", Device Package="0603 (1608 Metric)", Manufacturer="TDK Corporation", Operating Temperature="-55°C ~ 85°C", Ratings=AEC-Q200, Supplier Part Number 1=445-7878-1-ND, Temperature Coefficient=X5R, Tolerance=±10%, Voltage - Rated=50V, Applications=Automotive, Capacitance=1µF, ComponentLink1Description=Datasheet, ComponentLink1URL=https://product.tdk.com/info/en/catalog/datasheets/mlcc_automotive_general_en.pdf?ref_disty=digikey, ComponentLink2Description="DigiKey Link", ComponentLink2URL=http://digikey.com/product-detail/en/tdk-corporation/CGA3E3X5R1H105K080AB/445-7878-1-ND/2781382, LastUpdated="9/2/2020 1:03:17 AM", Lifecycle Status=Active, Minimum Order=1, Mounting Type="Surface Mount, MLCC", Package / Case="0603 (1608 Metric)", Packaging=TapeAndReel, PartId=12841, Part Number=CGA3E3X5R1H105K080AB, Part Status=Active, Price=0.05, Series=CGA, Size / Dimension="0.063\" L x 0.031\" W (1.60mm x 0.80mm)", Supplier 1=DigiKey, Thickness (Max)="0.035\" (0.90mm)"
C4 C5 C15 C46 C47: library part CC0805KKX7R7BB475, "CAP CER 4.7UF 16V X7R 0805", Device Package="0805 (2012 Metric)", Manufacturer=Yageo, Operating Temperature="-55°C ~ 125°C", Supplier Part Number 1=311-1883-1-ND, Temperature Coefficient=X7R, Tolerance=±10%, Voltage - Rated=16V, Applications="General Purpose", Capacitance=4.7µF, ComponentLink1Description=Datasheet, ComponentLink1URL=https://www.yageo.com/upload/media/product/productsearch/datasheet/mlcc/UPY-GPHC_X7R_6.3V-to-50V_18.pdf, ComponentLink2Description="DigiKey Link", ComponentLink2URL=http://digikey.com/product-detail/en/yageo/CC0805KKX7R7BB475/311-1883-1-ND/5195785, LastUpdated="9/2/2020 1:04:23 AM", Lifecycle Status=Active, Minimum Order=1, Mounting Type="Surface Mount, MLCC", Package / Case="0805 (2012 Metric)", Packaging=TapeAndReel, PartId=12987, Part Number=CC0805KKX7R7BB475, Part Status=Active, Price=0.09, Series=CC, Size / Dimension="0.079\" L x 0.049\" W (2.00mm x 1.25mm)", Supplier 1=DigiKey, Thickness (Max)="0.057\" (1.45mm)"
C6 C26 C30 C31: library part C3225X5R1H106K250AB, "CAP CER 10UF 50V X5R 1210", Device Package="1210 (3225 Metric)", Manufacturer="TDK Corporation", Operating Temperature="-55°C ~ 85°C", Supplier Part Number 1=445-9074-1-ND, Temperature Coefficient=X5R, Tolerance=±10%, Voltage - Rated=50V, Applications="General Purpose", Capacitance=10µF, ComponentLink1Description=Datasheet, ComponentLink1URL=https://product.tdk.com/info/en/catalog/datasheets/mlcc_commercial_general_en.pdf?ref_disty=digikey, ComponentLink2Description="DigiKey Link", ComponentLink2URL=http://digikey.com/product-detail/en/tdk-corporation/C3225X5R1H106K250AB/445-9074-1-ND/3648647, Features="Low ESL", LastUpdated="9/2/2020 1:10:51 AM", Lifecycle Status=Active, Minimum Order=1, Mounting Type="Surface Mount, MLCC", Package / Case="1210 (3225 Metric)", Packaging=TapeAndReel, PartId=23834, Part Number=C3225X5R1H106K250AB, Part Status=Active, Price=0.34, Series=C, Size / Dimension="0.126\" L x 0.098\" W (3.20mm x 2.50mm)", Supplier 1=DigiKey, Thickness (Max)="0.110\" (2.80mm)"
C7 C39: library part C3225X7R2A225K230AE, "CAP CER 2.2UF 100V X7R 1210", Device Package="1210 (3225 Metric)", Manufacturer="TDK Corporation", Operating Temperature="-55°C ~ 125°C", Supplier Part Number 1=445-8913-1-ND, Temperature Coefficient=X7R, Tolerance=±10%, Voltage - Rated=100V, Applications="Boardflex Sensitive", Capacitance=2.2µF, ComponentLink1Description=Datasheet, ComponentLink1URL=https://product.tdk.com/info/en/catalog/datasheets/mlcc_commercial_soft_en.pdf?ref_disty=digikey, ComponentLink2Description="DigiKey Link", ComponentLink2URL=http://digikey.com/product-detail/en/tdk-corporation/C3225X7R2A225K230AE/445-8913-1-ND/3283757, Features="Soft Termination", LastUpdated="9/2/2020 1:10:44 AM", Lifecycle Status=Active, Minimum Order=1, Mounting Type="Surface Mount, MLCC", Package / Case="1210 (3225 Metric)", Packaging=TapeAndReel, PartId=24320, Part Number=C3225X7R2A225K230AE, Part Status=Active, Price=0.39, Series=C, Size / Dimension="0.126\" L x 0.098\" W (3.20mm x 2.50mm)", Supplier 1=DigiKey, Thickness (Max)="0.098\" (2.50mm)"
C8 C35 C41 C42 C55 C56 C57 C58: library part GCJ188R72A104KA01D, "CAP CER 0.1UF 100V X7R 0603", Device Package="0603 (1608 Metric)", Manufacturer="Murata Electronics", Operating Temperature="-55°C ~ 125°C", Ratings=AEC-Q200, Supplier Part Number 1=490-13420-1-ND, Temperature Coefficient=X7R, Tolerance=±10%, Voltage - Rated=100V, Applications="Automotive, Boardflex Sensitive", Capacitance=0.1µF, ComponentLink1Description=Datasheet, ComponentLink1URL=https://www.murata.com/~/media/webrenewal/support/library/catalog/products/capacitor/mlcc/c03e.ashx?la=en-us, ComponentLink2Description="DigiKey Link", ComponentLink2URL=http://digikey.com/product-detail/en/murata-electronics/GCJ188R72A104KA01D/490-13420-1-ND/6012292, Features="Soft Termination", LastUpdated="9/2/2020 1:03:01 AM", Lifecycle Status=Active, Minimum Order=1, Mounting Type="Surface Mount, MLCC", Package / Case="0603 (1608 Metric)", Packaging=TapeAndReel, PartId=17976, Part Number=GCJ188R72A104KA01D, Part Status=Active, Price=0.05, Series=GCJ, Size / Dimension="0.063\" L x 0.031\" W (1.60mm x 0.80mm)", Supplier 1=DigiKey, Thickness (Max)="0.035\" (0.90mm)"
C9: library part CGA3E2X7R2A222K080AE, "CAP CER 2200PF 100V X7R 0603", Device Package="0603 (1608 Metric)", Manufacturer="TDK Corporation", Operating Temperature="-55°C ~ 125°C", Ratings=AEC-Q200, Supplier Part Number 1=445-173761-1-ND, Temperature Coefficient=X7R, Tolerance=±10%, Voltage - Rated=100V, Applications="Automotive, Boardflex Sensitive", Capacitance=2200pF, ComponentLink1Description=Datasheet, ComponentLink1URL=https://product.tdk.com/info/en/catalog/datasheets/mlcc_automotive_soft_en.pdf?ref_disty=digikey, ComponentLink2Description="DigiKey Link", ComponentLink2URL=http://digikey.com/product-detail/en/tdk-corporation/CGA3E2X7R2A222K080AE/445-173761-1-ND/5809832, Features="Soft Termination", LastUpdated="9/2/2020 1:03:11 AM", Lifecycle Status=Active, Minimum Order=1, Mounting Type="Surface Mount, MLCC", Package / Case="0603 (1608 Metric)", Packaging=TapeAndReel, PartId=14930, Part Number=CGA3E2X7R2A222K080AE, Part Status=Active, Price=0.03, Series=CGA, Size / Dimension="0.063\" L x 0.031\" W (1.60mm x 0.80mm)", Supplier 1=DigiKey, Thickness (Max)="0.037\" (0.95mm)"